# Altium PCB rt10.PcbDoc (part 2 of 3)
Units mm, origin at the board's own origin, x right, y up, seen from the top; angles counter-clockwise.
Board outline 35.56 x 44.45 mm, 8 copper layers (Top, L2, L3, L4, L5, L6, L7, Bottom), stack 1.19 mm thick; 220 components, 216 nets, 974 pads, 557 vias.
Unrouted connection lines stored in the file: 1.
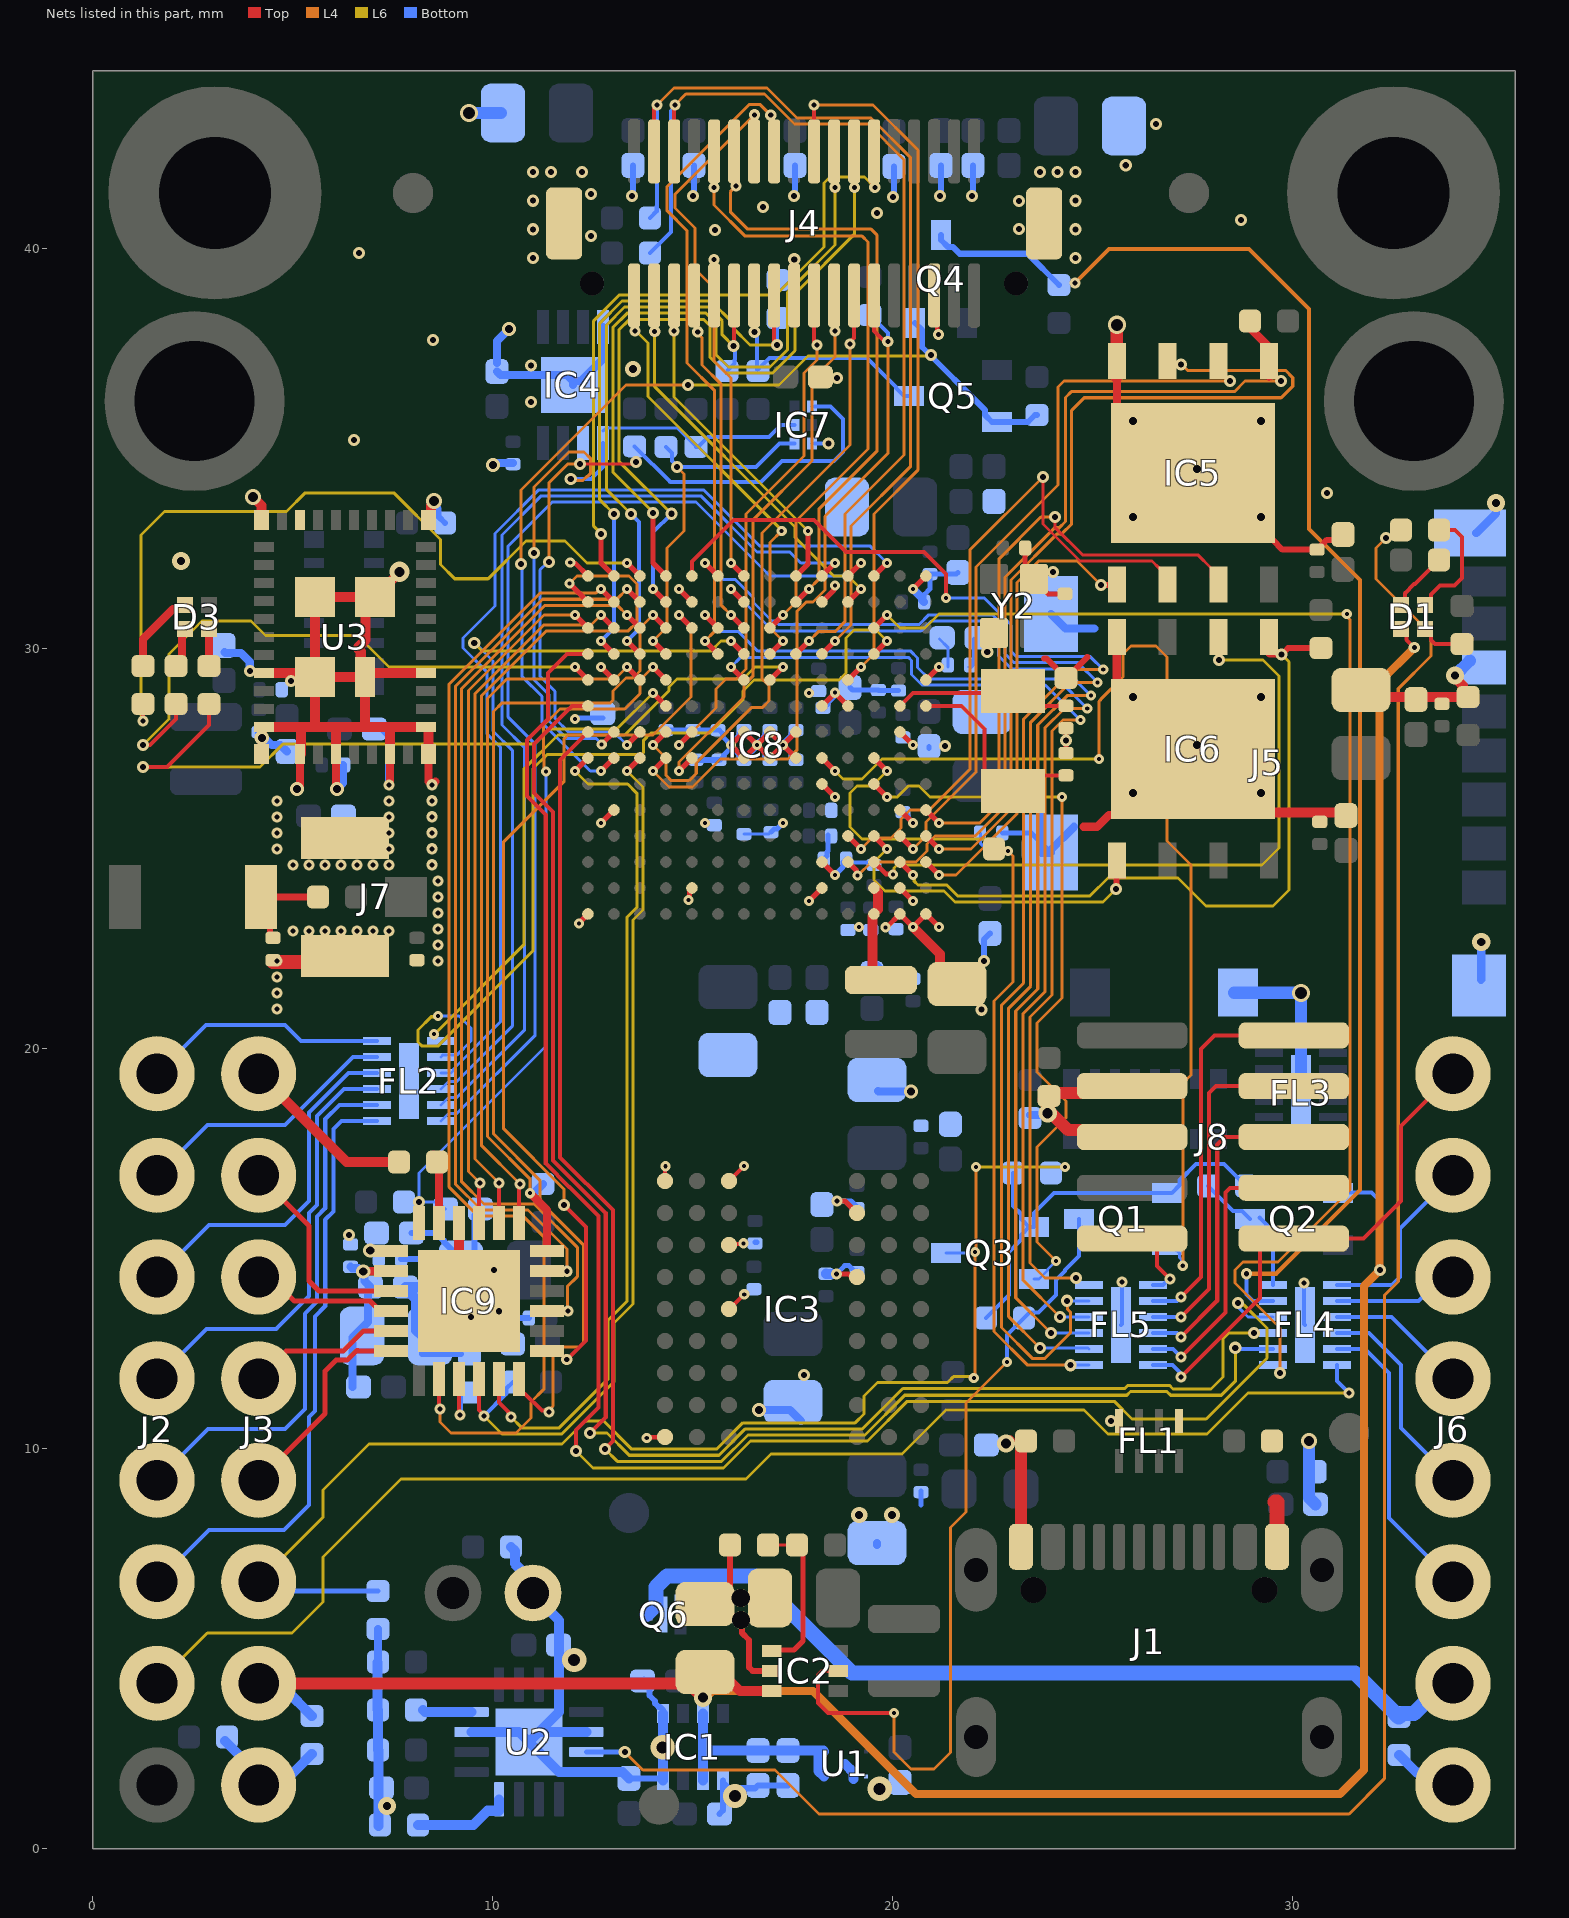
[diagram p8: the nets of this part, all layers, seen from the top]

## Via types
v1: diameter 0.254, hole 0.102, Top to Bottom, tented both sides, 227 vias
v2: diameter 0.305, hole 0.152, Top to Bottom, tented both sides, 152 vias
v3: diameter 0.279, hole 0.127, Top to Bottom, tented both sides, 108 vias
v4: diameter 0.356, hole 0.203, Top to Bottom, tented both sides, 30 vias
v5: diameter 0.61, hole 0.305, Top to Bottom, tented both sides, 9 vias
v6: diameter 0.457, hole 0.203, Top to Bottom, tented both sides, 7 vias
v7: diameter 0.406, hole 0.203, Top to Bottom, tented both sides, 6 vias
v8: diameter 0.457, hole 0.254, Top to Bottom, tented both sides, 5 vias
v9: diameter 0.457, hole 0.305, Top to Bottom, tented both sides, 4 vias
v10: diameter 0.406, hole 0.254, Top to Bottom, tented both sides, 3 vias
v11: diameter 0.457, hole 0.457, Top to Bottom, tented both sides, 2 vias
v12: diameter 0.508, hole 0.305, Top to Bottom, tented both sides, 2 vias
v13: diameter 0.559, hole 0.254, Top to Bottom, tented both sides, 1 vias
v14: diameter 0.508, hole 0.254, Top to Bottom, tented both sides, 1 vias

## Nets (pads, with @x,y where several pads share a name; then routed paths per layer and width w, separated by ;. In a path a pad name is that pad's centre, name@x,y a point inside that pad or via, vN(x,y) a via of type N, cw(c..) or ccw(c..) an arc to the next point about the centre after c; other vN are vias at no path point) (continued)
DCDC_LP: IC8.M1 IC8.M2 L5.2 | length 2.3
  Top w0.254: IC8.M1@19.525,23.375 19.525,23.365 19.485,23.326 19.485,21.94 L5.2@19.7,21.725 ; IC8.M2@19.525,24.025 19.525,24.015 19.625,23.915 19.625,23.485
DCDC_PSWITCH: C62.1 IC8.K3 R32.1 | length 1.7
  Top w0.127: IC8.K3@18.225,24.675 v1(18.55,24.35)
  Bottom w0.102: C62.1@18.748,24.669 18.76,24.658 19.471,24.658 R32.1@19.525,24.604
  Bottom w0.127: v1(18.55,24.35) 18.748,24.548 C62.1@18.748,24.669
DCMI_CLK: IC8.B14 J4.12 | length 17
  Top w0.102: J4.12@19.53,42.44 19.538,42.432 19.538,41.549 v3(19.545,41.542)
  Top w0.127: v2(12.7,32.875) 12.7,32.15 IC8.B14@13.025,31.825
  L6 w0.076: v2@12.7,32.884 12.515,33.069 12.515,38.204 13.164,38.852 17.077,38.852 18.275,40.05 18.275,41.65 18.425,41.8 19.287,41.8 v3(19.545,41.542)
DCMI_D0: IC8.J14 J4.31 | length 8.5
  Top w0.102: v3(14.525,37.95) 14.528,37.953 14.528,38.837 J4.31@14.53,38.84
  Top w0.127: IC8.J14@17.575,31.825 17.875,32.125 v1(17.875,32.95)
  L6 w0.076: v3(14.525,37.95) 14.525,36.3 v1(17.875,32.95)
DCMI_D1: IC8.G12 J4.29 | length 8.8
  Top w0.102: J4.29@15.03,38.84 15.085,38.785 15.085,37.964 v3(15.119,37.93)
  Top w0.127: v1(15.95,30.85) IC8.G12@16.275,30.525
  L4 w0.076: v3(15.119,37.93) 15.119,37.889 15.225,37.784 15.225,37.1 15.695,36.63 15.695,31.105 v1(15.95,30.85)
DCMI_D2: IC8.H11 J4.35 | length 10
  Top w0.127: IC8.H11@16.925,29.875 v1(17.25,30.2)
  L4 w0.076: v1(17.217,32.954) 16.925,32.661 16.925,30.525 v1(17.25,30.2)
  L6 w0.076: v3(13.551,37.948) 13.577,37.948 13.875,37.65 13.875,36.311 17.217,32.968 v1(17.217,32.954)
DCMI_D3: IC8.H12 J4.28 | length 16.2
  Top w0.102: v3(15.528,41.538) 15.529,41.539 15.529,42.439 J4.28@15.53,42.44
  Top w0.127: IC8.H12@16.925,30.525 v1(17.25,30.85)
  L4 w0.076: v3(15.528,41.538) 15.525,41.535 15.525,41.1 16.306,40.319 19.231,40.319 19.375,40.175 19.375,35 17.575,33.2 17.575,31.175 v1(17.25,30.85)
DCMI_D4: IC8.J13 J4.26 | length 15.5
  Top w0.102: J4.26@16.03,42.44 16.052,42.418 16.052,41.598 v3(16.073,41.577)
  Top w0.127: IC8.J13@17.575,31.175 v1(17.9,31.5)
  L4 w0.076: v3(16.073,41.577) 16.073,41.569 15.934,41.43 15.934,40.931 16.368,40.497 19.453,40.497 19.596,40.354 19.596,34.942 18.147,33.494 18.147,31.747 v1(17.9,31.5)
DCMI_D5: IC8.L13 J4.33 | length 10.2
  Top w0.102: J4.33@14.03,38.84 14.036,38.834 14.036,37.945 v3(14.043,37.939)
  Top w0.127: IC8.L13@18.875,31.175 v1(19.2,31.5)
  L6 w0.076: v3(14.043,37.939) 14.043,36.557 17.55,33.05 17.55,32.79 18.516,31.825 18.875,31.825 v1(19.2,31.5)
DCMI_D6: IC8.G14 J4.24 | length 14
  Top w0.102: J4.24@16.53,42.44 16.533,42.443 16.533,43.351 v3(16.535,43.354)
  Top w0.127: v1(15.95,32.15) IC8.G14@16.275,31.825
  L4 w0.076: v1(15.95,32.15) 15.95,36.775 15.525,37.2 15.525,39.025 15.05,39.5 15.05,40.525 14.55,41.025 14.55,41.369 v3(16.535,43.354)
DCMI_D7: IC8.F11 J4.22 | length 16.9
  Top w0.102: v3(16.944,43.346) 16.978,43.312 16.978,42.492 J4.22@17.03,42.44
  Top w0.127: v1(15.3,30.2) IC8.F11@15.625,29.875
  L4 w0.076: v1(15.3,30.2) 15.543,30.442 15.543,36.457 14.85,37.15 14.85,40.458 14.354,40.954 14.354,41.561 16.401,43.608 16.681,43.608 v3(16.944,43.346)
DCMI_FSIN: J4.23 Q5.3 R28.1 | length 6.2
  Top w0.102: J4.23@16.53,38.84 16.533,38.837 16.533,37.925 v2(16.536,37.923)
  Bottom w0.102: v2(16.536,37.923) 16.536,37.868 16.6,37.803 16.6,36.992 16.617,36.975 16.855,37.213 16.855,37.215 16.914,37.275 19.35,37.275 20.076,36.549 20.076,36.524 20.275,36.325 Q5.3@20.4,36.325
DCMI_HSYNC: IC8.L10 J4.18 | length 18.2
  Top w0.102: v3(18.025,43.6) 18.03,43.595 J4.18@18.03,42.44
  Top w0.127: IC8.L10@18.875,29.225 v1(19.2,29.55)
  L4 w0.076: v3(18.025,43.6) 19.5,43.6 20.62,42.48 20.62,34.47 19.525,33.375 19.525,29.875 v1(19.2,29.55)
DCMI_MISO: IC8.E7 J4.15 | length 14
  Top w0.102: J4.15@18.53,38.84 18.54,38.83 18.54,37.96 v3(18.55,37.95)
  Top w0.127: v1(14.65,26.95) IC8.E7@14.975,27.275
  L4 w0.076: v1(14.65,26.95) 14.65,27.176 16.275,28.801 16.275,29.1 16.506,29.331 16.506,33.231 17.975,34.7 17.975,36.725 18.55,37.3 v3(18.55,37.95)
DCMI_MOSI: IC8.E8 J4.17 | length 13.3
  Top w0.102: J4.17@18.03,38.84 18.03,37.67 v3(18.1,37.6)
  Top w0.127: v1(14.65,27.6) IC8.E8@14.975,27.925
  L4 w0.076: v1(14.65,27.6) 15.575,28.525 15.575,29 15.825,29.25 16.075,29.25 16.325,29.5 16.325,33.375 17.775,34.825 17.775,36.9 18.1,37.225 v3(18.1,37.6)
DCMI_PCLK: IC8.D13 J4.14 | length 19
  Top w0.102: J4.14@19.03,42.44 19.032,42.438 19.032,41.541 v3(19.034,41.539)
  Top w0.127: v1(14,31.5) IC8.D13@14.325,31.175
  L6 w0.076: v2(14.461,33.38) 13.148,34.693 13.148,37.974 13.416,38.243 15.261,38.243 15.425,38.078 15.425,37.294 15.824,36.895 16.988,36.895 17.55,37.457 17.55,38.884 19.034,40.369 v3(19.034,41.539)
  Bottom w0.102: v1(14,31.5) 14,32.92 v2(14.461,33.38)
DCMI_PWDN: IC8.C11 J4.25 R29.1 | length 14.8
  Top w0.102: v2(16.01,37.576) 16.03,37.596 J4.25@16.03,38.84
  Top w0.127: v1(13.35,30.2) IC8.C11@13.675,29.875
  L6 w0.076: v2(13.45,33.375) 12.843,33.982 12.843,38.1 13.29,38.548 15.387,38.548 15.73,38.205 15.73,37.856 v2(16.01,37.576)
  Bottom w0.102: v1(13.35,30.2) 13.65,30.5 13.65,33.175 v2(13.45,33.375) ; R29.1@15.85,36.95 16.034,37.134 16.034,37.22 16.048,37.234 16.048,37.537 v2(16.01,37.576)
DCMI_RST: IC8.B11 J4.21 R27.1 | length 15.8
  Top w0.102: J4.21@17.03,38.84 17.03,37.67 v2(17.1,37.6)
  Top w0.127: v1(12.7,30.2) IC8.B11@13.025,29.875
  L6 w0.076: v2(13.025,33.375) 12.668,33.732 12.668,38.141 13.227,38.7 15.45,38.7 16.01,38.14 16.01,38.015 16.425,37.6 v2(17.1,37.6)
  Bottom w0.102: v1(12.7,30.2) 13.025,30.525 v2(13.025,33.375) ; v2(17.1,37.6) 17.1,38.25 R27.1@17.125,38.275
DCMI_SCL: IC8.J11 J4.32 R30.1 | length 25.4
  Top w0.102: J4.32@14.53,42.44 14.53,43.58 v3(14.55,43.6)
  Top w0.127: IC8.J11@17.575,29.875 v1(17.9,30.2)
  L4 w0.076: v3(14.55,43.6) 14.823,43.873 16.787,43.873 17.537,43.123 19.387,43.123 20.275,42.234 20.275,34.85 18.8,33.375 18.8,33.141 18.798,33.138 18.798,30.678 18.561,30.441 18.141,30.441 v1(17.9,30.2)
  Bottom w0.102: R30.1@13.925,39.9 14.45,40.425 14.45,43.452 14.55,43.552 v3(14.55,43.6)
DCMI_SCLK: IC8.D8 J4.13 | length 16.1
  Top w0.102: v3(18.923,37.626) 18.923,37.668 19.03,37.775 J4.13@19.03,38.84
  Top w0.127: v1(14,27.6) IC8.D8@14.325,27.925
  L4 w0.076: v1(14,27.6) 14.325,27.275 14.325,26.84 14.457,26.709 14.905,26.709 15.082,26.886 15.082,27.157 16.466,28.541 16.741,28.541 16.9,28.7 16.9,29.075 16.725,29.25 16.725,32.9 18.923,35.098 v3(18.923,37.626)
DCMI_SDA: IC8.K11 J4.34 R31.1 | length 24.7
  Top w0.102: J4.34@14.03,42.44 14.03,43.53 v3(14.1,43.6)
  Top w0.127: IC8.K11@18.225,29.875 v1(18.55,30.2)
  L4 w0.076: v3(14.1,43.6) 14.525,44.025 16.85,44.025 17.6,43.275 19.45,43.275 20.441,42.284 20.441,34.566 18.95,33.075 18.95,30.6 v1(18.55,30.2)
  Bottom w0.102: R31.1@13.925,40.775 14.094,40.944 14.094,41.068 14.1,41.074 v3(14.1,43.6)
DCMI_SSEL: IC8.D7 J4.11 R24.1 | length 18
  Top w0.102: J4.11@19.53,38.84 19.53,37.945 19.75,37.725 19.837,37.725 v3(19.871,37.691)
  Top w0.127: v1(14,26.95) IC8.D7@14.325,27.275
  L4 w0.076: v1(14,26.95) 14.398,26.552 14.988,26.552 15.687,27.25 17.375,27.25 17.604,27.479 17.604,30.948 17.831,31.175 18,31.175 18.3,31.475 18.3,33.316 19.871,34.887 v3(19.871,37.691)
  Bottom w0.102: R24.1@19.425,38.35 19.872,37.903 19.872,37.693 v3(19.871,37.691)
DCMI_VSYNC: IC8.D14 J4.16 | length 17.9
  Top w0.102: J4.16@18.53,42.44 18.541,42.429 18.541,41.553 v3(18.552,41.542)
  Top w0.127: v2(14,33.4) 14,32.15 IC8.D14@14.325,31.825
  L6 w0.076: v2(14,33.4) 14,33.421 12.995,34.425 12.995,38.037 13.353,38.395 15.324,38.395 15.578,38.141 15.578,37.357 15.887,37.048 16.925,37.048 17.367,37.49 17.367,38.917 18.552,40.102 v3(18.552,41.542)
EN: IC2.5 Q1.3 R3.1 | length 20.8
  Top w0.102: IC2.5@18.634,4.45 18.225,4.45 18.125,4.35 18.125,3.65 18.375,3.4 v1(20.025,3.4)
  L4 w0.076: v1(20.025,3.4) 20.025,2.425 20.45,2 21.025,2 21.438,2.413 21.438,8.038 21.825,8.425 21.825,11.15 v1(22.85,12.175)
  Bottom w0.102: v1(22.85,12.175) 22.85,12.85 R3.1@23.275,13.275 23.41,13.41 23.635,13.41 24.075,13.85 24.075,14.225 24.3,14.45 24.3,14.475 24.65,14.825 Q1.3@24.65,15.75
ETH_INT: IC8.C10 IC9.18 R36.1 | length 19.1
  Top w0.127: v1(13.35,29.55) IC8.C10@13.675,29.225
  Top w0.203: v1@10.939,16.385 11.35,15.974 IC9.18@11.35,14.95
  L4 w0.076: v1(10.929,16.395) 10.929,16.746 9.86,17.815 9.86,28.764 10.347,29.25 13.05,29.25 v1(13.35,29.55)
  Bottom w0.203: v1(10.929,16.395) 10.943,16.395 10.959,16.411 11.051,16.411 11.062,16.422 11.047,16.422 R36.1@11.25,16.625
ETH_LED: IC9.23 R35.1 | length 1.8
  Top w0.203: R35.1@8.508,17.36 8.637,17.231 8.65,17.231 IC9.23@8.65,15.65
ETH_MDC: IC8.A7 IC9.11 | length 21.3
  Top w0.102: IC9.11@10.15,11.75 10.148,11.747 10.148,11.162 10.375,10.935 10.375,10.923 10.45,10.848 v3(10.45,10.8)
  Top w0.127: v1(12.05,26.95) IC8.A7@12.375,27.275
  L6 w0.076: v3(10.45,10.8) 10.723,10.527 11.657,10.527 12.873,11.743 12.873,13.213 13.348,13.688 13.348,23.288 13.598,23.538 13.598,26.394 13.366,26.625 12.375,26.625 v1(12.05,26.95)
ETH_MDIO: IC8.C7 IC9.10 R39.1 | length 22.3
  Top w0.102: IC9.10@9.65,11.75 9.65,10.973 9.775,10.848 v3(9.775,10.825)
  Top w0.127: v1(13.35,26.95) IC8.C7@13.675,27.275
  L6 w0.076: v3(9.775,10.825) 10.225,10.375 11.72,10.375 13.025,11.68 13.025,13.15 13.5,13.625 13.5,23.225 13.75,23.475 13.75,26.55 v1(13.35,26.95)
  Bottom w0.102: v3(9.775,10.825) 10.331,11.381 10.331,11.506 R39.1@10.5,11.675
ETH_RST: C65.2 IC8.D10 IC9.24 R34.1 | length 18
  Top w0.127: v1(14,29.55) IC8.D10@14.325,29.225
  L4 w0.076: v1(11.323,26.941) 11.277,26.988 11.277,27.313 11.265,27.325 11.265,28.092 11.673,28.5 13.291,28.5 13.675,28.884 13.675,29.225 v1(14,29.55)
  Bottom w0.076: C65.2@8.815,16 8.64,16.175 v2(8.15,16.175) 8.15,16.9 11.323,20.073 v1(11.323,26.941)
ETH_RXD0: IC8.E12 IC9.13 | length 24
  Top w0.102: IC9.13@11.35,12.45 11.625,12.45 11.842,12.233 v3(11.845,12.233) 12.325,12.714 12.325,15.553 v2(11.775,16.103)
  Top w0.127: v1(14.65,30.85) IC8.E12@14.975,30.525
  L4 w0.076: v2(11.775,16.103) 11.775,16.495 10.268,18.002 10.268,25.181 11.78,26.693 11.78,27.755 11.875,27.85 14,27.85 14.95,28.8 14.95,30.55 v1(14.65,30.85)
ETH_RXD1: IC8.D12 IC9.12 | length 26.6
  Top w0.102: IC9.12@10.65,11.75 10.65,11.475 10.749,11.376 10.805,11.376 11.223,10.958 11.367,10.958 v3(11.4,10.925)
  Top w0.127: v1(14,30.85) IC8.D12@14.325,30.525
  L4 w0.076: v3(11.4,10.925) 11.4,10.971 11.5,11.071 11.5,12.45 11.6,12.55 12.171,12.55 12.26,12.639 12.26,15.105 11.17,16.195 11.17,16.72 10.013,17.878 10.013,28.438 10.23,28.655 12.935,28.655 13,28.72 13,28.948 13.327,29.275 13.5,29.275 13.675,29.45 13.675,30.525 v1(14,30.85)
ETH_RXDV: IC8.C12 IC9.15 | length 23.7
  Top w0.102: IC9.15@11.351,13.45 v3(11.872,13.449)
  Top w0.127: v1(13.35,30.85) IC8.C12@13.675,30.525
  L4 w0.076: v3(11.872,13.449) 11.86,13.461 11.86,14.06 12.108,14.308 12.108,15.042 11.025,16.125 9.775,16.125 9.21,16.69 9.21,29.001 11.301,31.091 13.109,31.091 v1(13.35,30.85)
ETH_RXERR: IC8.C13 IC9.17 | length 22.7
  Top w0.102: IC9.17@11.35,14.45 11.353,14.447 11.847,14.447 v3(11.851,14.443)
  Top w0.127: v1(13.35,31.5) IC8.C13@13.675,31.175
  L4 w0.076: v3(11.851,14.443) 11.851,14.999 10.877,15.973 9.712,15.973 9.058,16.627 9.058,29.064 11.237,31.244 13.094,31.244 v1(13.35,31.5)
ETH_TXCLK: IC8.B13 IC9.8 | length 29
  Top w0.102: IC9.8@8.65,11.75 8.65,11.025 v3(8.675,11)
  Top w0.127: v1(12.7,31.5) IC8.B13@13.025,31.175
  L4 w0.076: v3(8.675,11) 8.675,10.675 8.95,10.4 10.575,10.4 10.95,10.775 10.95,11.175 11.271,11.496 11.271,15.304 10.755,15.82 9.63,15.82 8.905,16.545 8.905,29.127 11.174,31.396 12.566,31.396 12.67,31.5 v1(12.7,31.5)
ETH_TXD0: IC8.B12 IC9.20 | length 17.9
  Top w0.102: IC9.20@10.15,15.65 v3(10.15,16.65)
  Top w0.127: v1(12.7,30.85) IC8.B12@13.025,30.525
  L4 w0.076: v3(10.15,16.65) 9.55,17.25 9.55,28.884 11.266,30.6 12.45,30.6 v1(12.7,30.85)
ETH_TXD1: IC8.A12 IC9.21 | length 17.3
  Top w0.102: IC9.21@9.65,15.65 9.65,16.625 v3(9.675,16.65)
  Top w0.127: v1(12.05,30.85) IC8.A12@12.375,30.525
  L4 w0.076: v3(9.675,16.65) 9.385,16.94 9.385,28.96 11.275,30.85 v1(12.05,30.85)
ETH_TXEN: IC8.A13 IC9.19 | length 21.7
  Top w0.102: IC9.19@10.65,15.65 10.65,16.6 v3(10.675,16.625)
  Top w0.127: v1(11.914,31.64) 11.914,31.636 IC8.A13@12.375,31.175
  L4 w0.076: v3(10.675,16.625) 9.708,17.592 9.708,28.827 11.326,30.445 13.37,30.445 13.6,30.675 13.6,31.625 13.4,31.825 12.099,31.825 v1(11.914,31.64)
ETH_VDD_1.2: C83.2 C84.1 IC9.1 | length 0.5
  Top w0.203: v4(6.932,14.965) 6.94,14.958 7.442,14.958 IC9.1@7.45,14.95
ETH_VDDA_3.3: C81.2 C82.1 C85.1 IC9.2 L8.1 | length 4.3
  Top w0.203: v4@6.714,14.439 v4(6.756,14.439) 6.761,14.445 7.445,14.445 IC9.2@7.45,14.45
  Bottom w0.203: C82.1@6.441,14.555 6.479,14.517 6.636,14.517 6.714,14.439 v4(6.756,14.439) 6.785,14.41 6.785,14.203 C81.2@6.938,14.05 ; L8.1@6.49,11.55 6.49,12.79 6.525,12.825 6.871,13.171 6.871,13.981 C81.2@6.94,14.05
FB: IC2.1 R2.1 R8.2 | length 4.1
  Top w0.076: R8.2@16.875,7.6 R2.1@17.6,7.6 R2.1@17.75,7.45 ; IC2.1@16.966,4.95 IC2.1@16.991,4.975
  Top w0.127: IC2.1@16.991,4.975 17.525,4.975 17.75,5.2 R2.1@17.75,7.45
FEED: ANT1.1 C78.1 L7.1 | length 2.1
  Top w0.152: C78.1@4.425,22.86 ANT1.1@4.425,23.775 ; C78.1@4.499,22.779 C78.1@4.499,22.786
  Top w0.165: ANT1.1@4.4,23.8 L7.1@5.52,23.8
  Top w0.35: ANT1.1@4.4,23.8 ANT1.1@4.425,23.775
GND: C1.1 C2.1 C3.1 C4.1 C5.1 C6.2 C7.2 C8.1 C9.1 C10.1 C11.1 C12.2 C13.2 C14.2 C15.2 C16.2 C17.1 C18.1 C19.2 C20.2 C21.1 C22.2 C23.1 C24.2 C25.1 C26.2 C27.1 C28.2 C29.2 C30.2 C31.1 C32.2 C33.1 C34.2 C35.1 C36.2 C37.2 C38.2 C39.1 C40.1 C41.1 C42.1 C43.2 C44.1 C45.2 C46.1 C47.2 C48.2 C49.1 C50.2 C51.2 C52.1 C53.2 C54.2 C55.2 C56.2 C57.1 C58.1 C59.2 C60.1 C61.1 C62.2 C63.2 C64.2 C65.1 C66.1 C67.2 C68.1 C69.2 C70.2 C71.2 C72.1 C73.1 C74.2 C75.2 C76.2 C77.2 C78.2 C79.2 C80.2 C81.1 C82.2 C83.1 C84.2 C85.2 C86.1 C87.1 C88.2 C89.2 C90.1 C91.1 C92.1 C93.1 C94.1 C95.1 C96.2 C97.1 C98.1 C99.1 C100.1 C101.1 C102.2 C103.1 C104.1 C105.2 C106.2 C107.2 C108.1 C109.2 C110.2 CN1.2 D2.2 D4.2 D5.2 D6.2 D7.2 D8.2 D9.2 D10.2 FL1.5 FL1.8 FL2.13 FL3.13 FL4.13 FL5.13 IC1.1 IC1.4 IC1.5 IC2.2 IC3.A1 IC3.A3 IC3.B7 IC3.C3 IC3.D7 IC3.E3 IC3.J1 IC4.4 IC4.9 IC5.4 IC5.9 IC6.4 IC6.9 IC7.3 IC8.A1 IC8.A14 IC8.B5 IC8.B10 IC8.E2 IC8.E13 IC8.G7 IC8.G8 IC8.H7 IC8.H8 IC8.J7 IC8.J8 IC8.K2 IC8.K6 IC8.K9 IC8.K13 IC8.L9 IC8.N1 IC8.N2 IC8.N5 IC8.N8 IC8.P1 IC8.P14 IC9.22 IC9.25 J1.A1_B12 J1.B1_A12 J3.1 J4.5 J4.19 J4.27 J4.M J5.CD$2 J5.P$6 J5.SH J6.1 J7.2 J7.3 J8.3 J8.5 Q6.G R6.2 R7.2 R8.1 R9.2 R10.2 R11.2 R12.2 R27.2 R37.2 R38.2 R40.2 R41.2 U1.2 U1.EP U2.4 U2.6 U2.8 U2.15 U2.17 U3.1 U3.4 U3.12 U3.19 U3.21 U3.29 U3.32 U3.33 U3.35 U3.37 U3.40 U3.42 U3.43 U3.44 U3.45 U3.46 Y2.2 Y2.4 | length 178.8
  Top w0.102: v1(13.843,10.273) 13.864,10.294 14.293,10.294 IC3.J1@14.3,10.3 ; IC3.A1@14.3,16.7 14.305,16.706 14.305,17.063 v1(14.31,17.068) ; J4.27@15.529,38.841 v3(15.529,39.733) ; IC3.C3@15.9,15.1 15.92,15.121 16.246,15.121 v1(16.266,15.142) ; IC3.A3@15.9,16.7 v1(16.275,17.075) ; IC3.E3@15.906,13.493 v1(16.281,13.868) ; J4.5@21.03,38.84 21.107,38.763 21.107,37.895 v3(21.141,37.861)
  Top w0.127: J7.2@6.3,22.325 J7.2@6.421,22.204 ; C77.2@8.083,22.204 C77.2@8.099,22.22 ; v1(11.932,32.165) 11.957,32.141 12.059,32.141 IC8.A14@12.375,31.825 ; v1(12.152,23.134) 12.152,23.152 IC8.A1@12.375,23.375 ; v1(12.7,25.65) IC8.B5@13.025,25.975 ; v1(12.7,29.55) IC8.B10@13.025,29.225 ; v1(14.65,31.5) IC8.E13@14.975,31.175 ; v1(14.891,23.725) 14.915,23.749 14.915,23.921 14.975,23.981 IC8.E2@14.975,24.025 ; IC8.J7@17.575,27.275 v1(17.25,27.6) ; IC8.J8@17.575,27.925 v1(17.25,27.6) ; v1(17.9,23.7) IC8.K2@18.225,24.025 ; IC8.K6@18.225,26.625 v1(18.55,26.3) ; IC8.K9@18.225,28.575 18.55,28.9 IC8.L9@18.875,28.575 ; IC8.K13@18.225,31.175 18.525,31.475 18.525,31.559 v1(18.549,31.583) ; v3(18.589,14.378) 18.884,14.378 18.908,14.354 19.046,14.354 IC3.D7@19.1,14.3 ; v3(18.6,16.2) 18.8,16.2 IC3.B7@19.1,15.9 ; v1(19.816,23.042) 19.842,23.042 IC8.N1@20.175,23.375 v1(20.5,23.05) IC8.P1@20.825,23.375 ; IC8.N2@20.175,24.025 v1(20.5,23.7) ; IC8.N5@20.175,25.975 v1(20.5,25.65) ; IC8.N8@20.175,27.925 v1(20.5,27.6) ; v1(20.5,31.5) IC8.P14@20.825,31.825 ; IC8.P1@20.825,23.375 v1(21.15,23.05) ; C105.2@23.304,32.525 23.304,31.971 Y2.4@23.525,31.75 ; Y2.4@23.577,31.506 23.748,31.506 23.874,31.379 C106.2@24.3,31.379 ; C79.2@24.325,27.4 v2(24.325,27.71) C80.2@24.325,28.021 ; v1@16.6,27.6 16.925,27.925 v1(17.25,27.6) ; v1(16.6,27.6) IC8.G7@16.275,27.275 v1(15.95,27.6) IC8.G8@16.275,27.925 v1(16.6,27.6) ; v1(16.6,27.6) IC8.H7@16.925,27.275 v1(17.25,27.6)
  Top w0.152: R8.1@15.925,7.6 15.925,6.33 C6.2@15.977,6.279 ; v11(16.2,5.725) 16.221,5.704 16.221,5.404 16.4,5.225 16.4,4.539 16.489,4.45 IC2.2@16.966,4.45 ; 23.777,29.767 23.833,29.767 R40.2@24.325,29.275 24.336,29.275 24.856,29.795 ; v2(25.453,10.702) FL1.8@25.65,10.7 FL1.8@25.65,10.7 ; IC5.9@29.4,32.818 29.4,32.8 29.474,32.726 29.491,32.726 29.734,32.484 C22.2@30.6,32.484 30.638,32.484 30.714,32.56 30.714,32.598 30.846,32.729 31.119,32.729 C23.1@31.25,32.86
  Top w0.203: U3.33@4.212,27.375 v4@4.213,27.833 ; v4(4.221,27.779) 4.248,27.806 4.248,28.027 4.272,28.05 U3.32@4.275,28.05 ; v4(5.1,26.5) 5.175,26.575 U3.35@5.175,27.375 ; U3.37@6.075,27.375 6.075,26.525 v4(6.1,26.5) ; v3(7.4,26.6) 7.425,26.625 U3.40@7.425,27.375 ; v3@8.388,26.688 U3.42@8.388,27.375 ; v3(8.475,26.604) v3@8.563,26.692 ; 24.758,25.554 25.105,25.554 25.402,25.852 25.552,25.852 26,26.3 v4(26,26.4) ; IC6.4@25.472,30.523 25.595,30.4 IC6.4@25.595,30.294 ; IC6.4@25.595,29.9 25.595,28.805 26.9,27.5 IC6.9@27.5,27.5 28.9,27.5 IC6.9@29.25,27.15 ; IC5.4@25.595,36.8 25.6,36.795 25.6,35.7 26.9,34.4 IC5.9@27.5,34.4 ; C22.2@30.6,32.454 C22.2@30.6,32.484
  Top w0.254: v10(4,33.8) 4.213,33.587 U3.21@4.212,33.225 ; U3.32@4.275,28.05 5.2,28.05 ; U3.29@4.275,29.4 U3.45@5.55,29.4 ; U3.35@5.175,27.375 5.2,27.375 5.2,28.05 ; U3.37@6.075,27.375 6.075,28.05 ; U3.43@6.8,29.4 U3.4@8.325,29.4 ; U3.40@7.425,27.375 7.425,28.05 ; v14(7.663,31.929) 7.663,31.912 U3.44@7.05,31.3 U3.44@6.8,31.3 ; U3.42@8.388,27.375 8.388,28.05 U3.1@8.325,28.05 7.425,28.05 ; U3.12@8.388,33.225 8.448,33.285 8.448,33.582 8.525,33.659 v10(8.525,33.7) ; IC9.22@9.15,15.65 9.15,13.7 IC9.25@9.4,13.7 ; v1(20.5,23.05) 21.175,22.375 21.175,22.044 21.594,21.625 C49.1@21.6,21.625 ; IC6.9@29.135,25.912 31.248,25.912 C25.1@31.325,25.835 ; C37.2@31.7,28.975 31.875,28.8 D6.2@34.375,28.8 34.244,28.931 34.244,29.086 34.049,29.281 v6(34.049,29.336) ; 5.2,28.05 5.55,28.05 ; 5.55,28.05 6.075,28.05 ; 5.55,28.05 U3.45@5.55,29.3 ; U3.45@5.55,29.3 U3.43@6.8,29.3 ; U3.45@5.55,29.3 U3.45@5.55,29.4 ; U3.45@5.55,29.4 U3.46@5.55,31.3 U3.44@6.8,31.3 ; 6.075,28.05 6.8,28.05 ; 6.8,28.05 7.425,28.05 ; 6.8,28.05 U3.43@6.8,29.3 ; U3.43@6.8,29.3 6.693,29.407 6.693,29.937 6.644,29.985 6.644,30.054 6.817,30.226 6.817,31.283 U3.44@6.8,31.3
  Top w0.305: v8(22.823,10.139) 22.836,10.139 v8@22.898,10.2 ; J1.A1_B12@23.15,7.555 J1.A1_B12@23.2,7.555 R6.2@23.2,10.2 ; D10.2@23.762,18.732 D10.2@23.862,18.832 ; v8@23.9,18.428 D10.2@23.9,18.774 ; D10.2@23.9,18.825 D10.2@23.9,18.774 ; IC5.4@25.595,36.8 IC5.4@25.595,37.194 25.595,38.096 v9(25.603,38.103) ; J8.5@25.98,17.8 25.807,17.973 24.377,17.973 23.985,18.365 23.895,18.365 v8(23.866,18.394) 23.866,18.74 D10.2@23.9,18.774 ; J8.3@25.98,19.07 25.81,18.9 24.025,18.9 D10.2@23.9,18.774
  Top w0.35: C78.2@4.5,22.17 5.43,22.17 5.6,22 5.975,22 J7.2@6.3,22.325
  Top w0.381: 29.55,8.675 29.6,8.675 J1.B1_A12@29.6,7.555
  Bottom w0.076: C48.2@16.275,25.371 16.596,25.371 16.598,25.373 16.903,25.373 C34.2@16.95,25.421
  Bottom w0.102: IC7.3@17.975,35.14 18.384,35.14 v2(18.388,35.136) ; C26.2@18.025,36.8 18.04,36.8 C26.2@18.077,36.763 ; C26.2@18.054,36.8 18.079,36.775 v2(18.6,36.775) ; FL5.13@25.7,13.1 25.725,13.125 v3(25.725,14.175) ; v3(30.275,14.15) 30.275,13.125 FL4.13@30.3,13.1
  Bottom w0.127: v1(12.05,28.25) 12.084,28.25 12.11,28.275 C67.2@12.755,28.275 ; C86.1@14.325,27.971 C68.1@15,27.971 C98.1@15.625,27.971 15.656,27.971 15.744,27.883 15.744,27.806 v1(15.95,27.6) ; C97.1@15.65,27.229 15.681,27.229 15.769,27.317 15.769,27.349 15.926,27.505 15.926,27.576 v1(15.95,27.6) ; C16.2@16.547,15.169 C16.2@16.597,15.169 ; C34.2@16.95,25.421 17.031,25.502 17.102,25.502 v1(17.25,25.65) ; C100.1@17.575,27.229 17.544,27.229 17.456,27.317 17.456,27.394 v1(17.25,27.6) ; C45.2@17.575,27.971 17.544,27.971 17.456,27.883 17.456,27.851 17.274,27.67 17.274,27.624 v1(17.25,27.6) ; C71.2@18.25,28.529 18.281,28.529 18.369,28.617 18.369,28.649 18.527,28.806 18.527,28.883 v1(18.551,28.908) ; C62.2@18.271,24.75 18.352,24.831 18.352,24.924 18.379,24.951 C43.2@18.379,25.353 ; v3(18.589,14.378) 18.793,14.583 18.899,14.583 19.032,14.45 C19.2@19.1,14.45 ; v3(18.6,16.2) 18.95,16.2 C13.2@19.1,16.05 ; C72.1@18.925,29.035 18.987,28.973 C69.2@19.632,28.973 19.639,28.966 20.131,28.966 C70.2@20.138,28.959 ; 19.475,22.25 19.971,21.754 C47.2@20.5,21.754 ; C88.2@20.25,25.921 20.281,25.921 20.369,25.833 20.369,25.796 20.5,25.665 v1(20.5,25.65) ; 20.7,8.6 C31.1@20.7,8.92 C31.1@20.7,8.95 ; C50.2@20.779,31.175 20.779,31.358 20.925,31.504 C59.2@20.925,31.871 21.581,31.871 C60.1@21.625,31.915 ; C101.1@20.9,27.513 C101.1@20.9,27.565 ; C107.2@21.929,29.55 22.01,29.631 22.01,29.727 22.035,29.751 C104.1@22.035,30.25 ; C63.2@22.734,25.4 23.457,25.4 23.7,25.157 J5.SH@23.95,24.907 ; v1(15.95,27.6) 15.974,27.576 15.974,27.53 16.156,27.349 16.156,27.317 16.244,27.229 C94.1@16.275,27.229 16.306,27.229 16.394,27.317 16.394,27.349 16.576,27.53 16.576,27.576 v1(16.6,27.6) ; v1(15.95,27.6) 15.974,27.624 15.974,27.67 16.156,27.851 16.156,27.883 16.244,27.971 C103.1@16.275,27.971 16.306,27.971 16.394,27.883 16.394,27.806 v1(16.6,27.6) ; v1(16.6,27.6) 16.806,27.394 16.806,27.317 16.894,27.229 C87.1@16.925,27.229 16.956,27.229 17.044,27.317 17.044,27.349 17.226,27.53 17.226,27.576 v1(17.25,27.6) ; v1(16.6,27.6) 16.624,27.624 16.624,27.67 16.806,27.851 16.806,27.883 16.894,27.971 C38.2@16.925,27.971 16.956,27.971 17.044,27.883 17.044,27.806 v1(17.25,27.6)